# Altium PCB hand_logic.PcbDoc (part 3 of 4)
Units mil, origin at the board's own origin, x right, y up, seen from the top; angles counter-clockwise.
Board outline 3797.44 x 1940.24 mil, 6 copper layers (Top Layer, Int1 (GND), Int2 (Sign), Int3 (Sign), Int4 (PWR), Bottom Layer), stack 72.047 mil thick; 256 components, 180 nets, 1050 pads, 638 vias.
Unrouted connection lines stored in the file: 228.
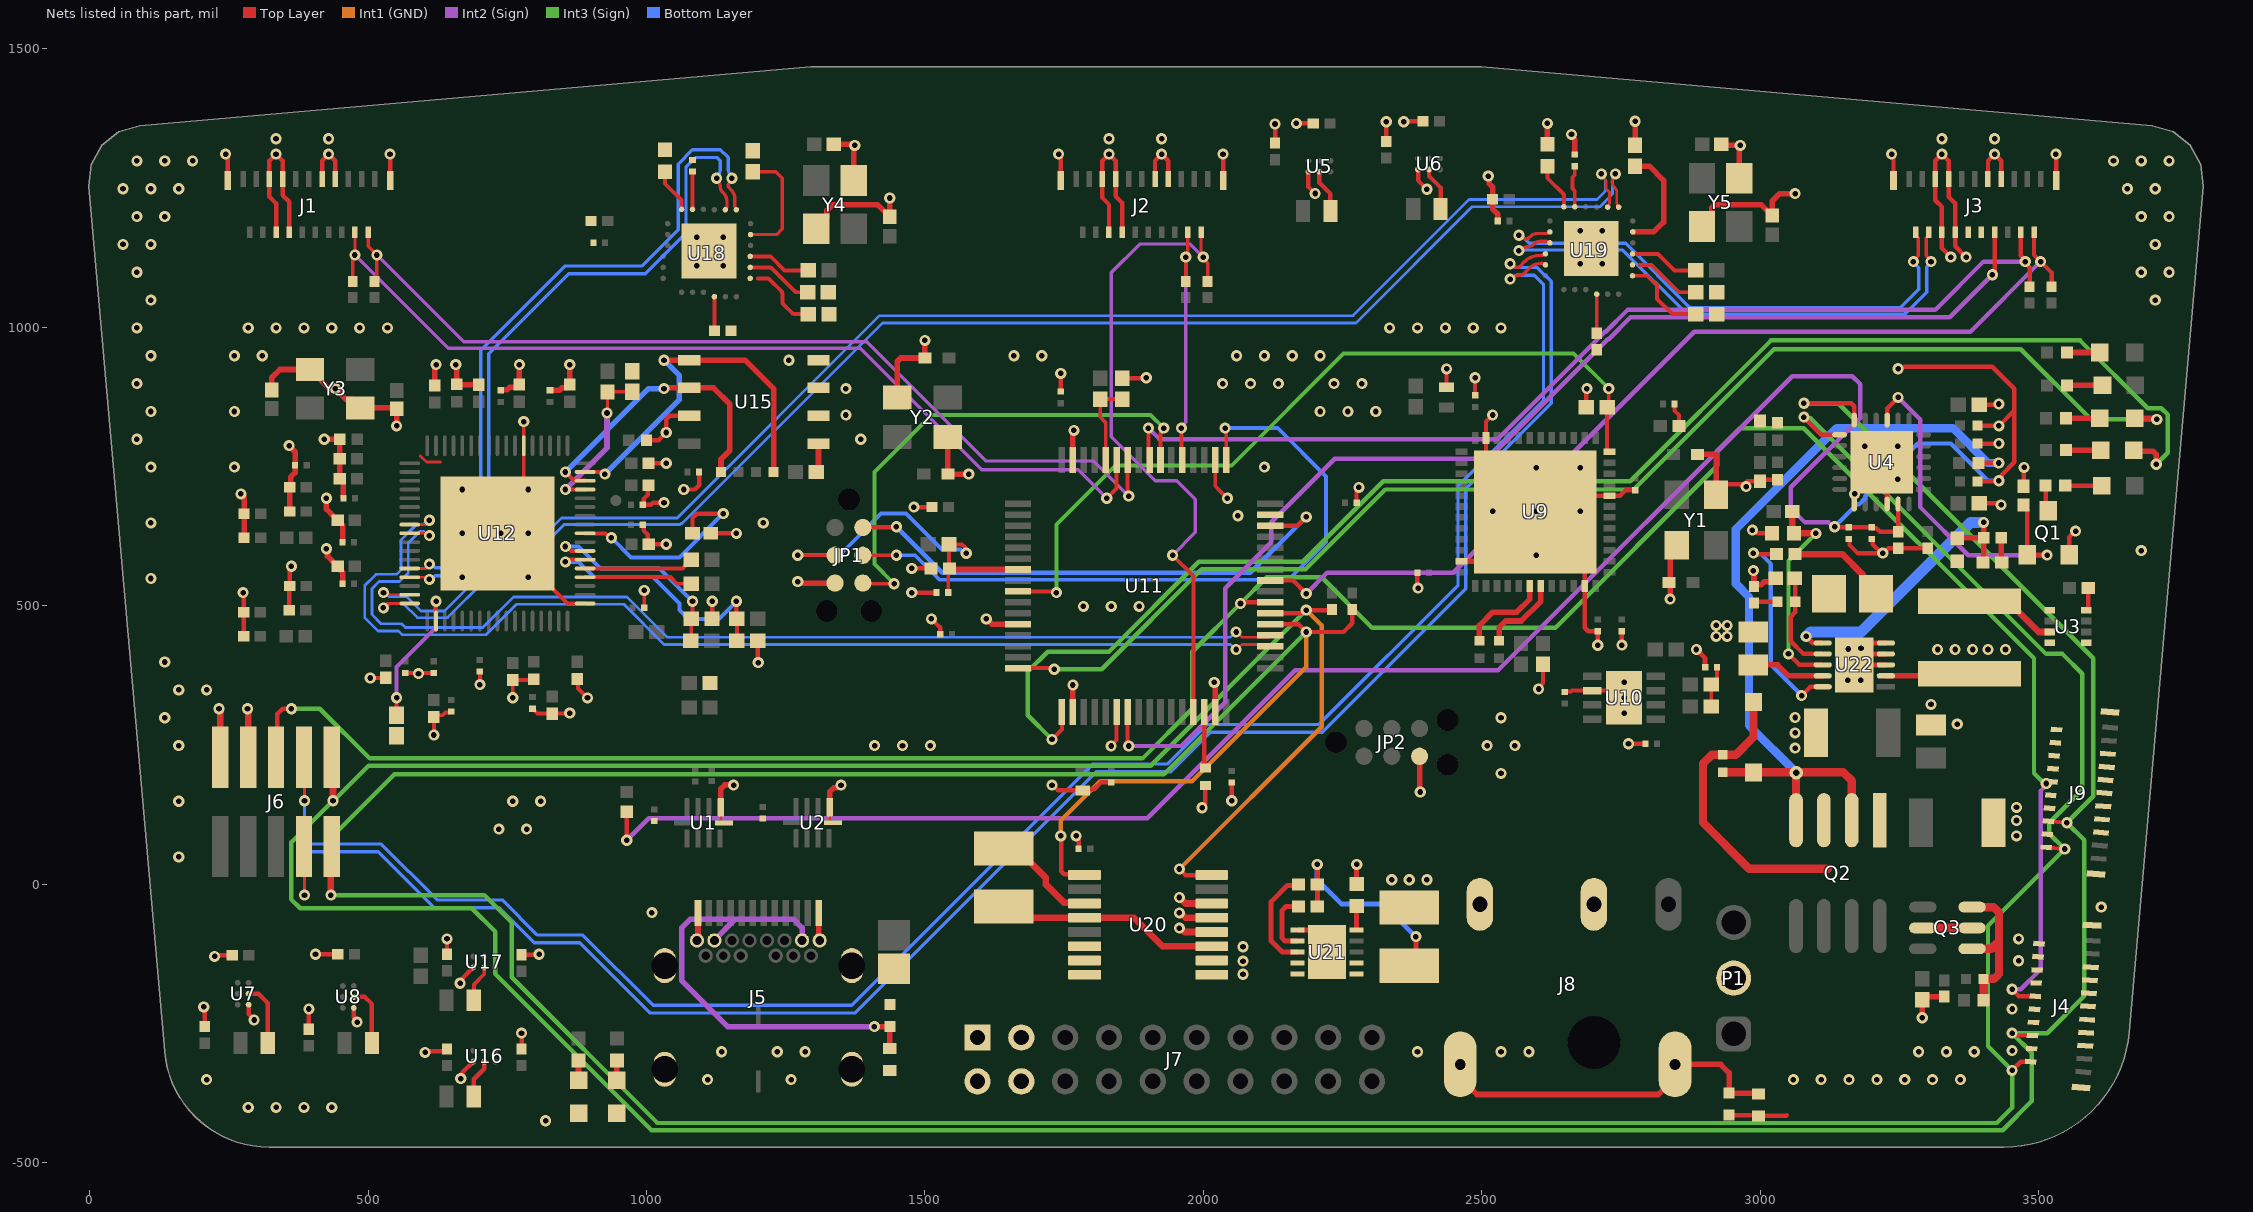
[diagram p7: the nets of this part, all layers, seen from the top]

## Via types
v1: diameter 20, hole 10, Top Layer to Bottom Layer, tented both sides, 623 vias
v2: diameter 24, hole 12, Top Layer to Bottom Layer, tented both sides, 13 vias
v3: diameter 28, hole 14, Top Layer to Bottom Layer, tented both sides, 2 vias

## Nets (pads, with @x,y where several pads share a name; then routed paths per layer and width w, separated by ;. In a path a pad name is that pad's centre, name@x,y a point inside that pad or via, vN(x,y) a via of type N, cw(c..) or ccw(c..) an arc to the next point about the centre after c; other vN are vias at no path point) (continued)
FINGER_3_SIG_CH1: J3.8 U11.23 | length 2182.1
  Top Layer w7: U11.23@1864.17,309.06 1864.17,250 v1(1866.14,248.03)
  Top Layer w8: v1(3417.32,1094.49) 3417.32,1097.74 3421.26,1101.67 J3.8@3421.26,1170.67
  Int2 (Sign) w8: v1(1866.14,248.03) 1960.63,248.03 2039.37,326.77 2039.37,531.5 2122.05,614.17 2122.05,649.61 2236.22,763.78 2511.81,763.78 2726.79,978.76 2728.09,978.76 2767.46,1018.13 3340.96,1018.13 v1(3417.32,1094.49)
FINGER_3_SIG_CH2: J3.10
FINGER_3_SIG_CH3: J3.12
FINGER_3_USB_DN: J3.20 U19.2 | length 958.4
  Top Layer w6: v1(2566.93,1165.35) cw(c2566.93,1156.34) 2573.31,1162.71 2575.51,1160.51 ccw(c2580.18,1165.17) 2580.18,1158.57 ccw(c2580.18,1165.17) 2584.84,1160.51 2587.83,1163.5 cw(c2599.71,1151.61) 2599.71,1168.42 2615.87,1168.42 ccw(c2615.87,1175.56) 2620.92,1170.51 cw(c2622.74,1168.7) U19.2@2622.74,1171.26 ; v1(3275.59,1118.11) 3275.59,1119.88 3284.34,1128.62 3284.34,1160.54 3279.53,1165.35 J3.20@3279.53,1170.67
  Bottom Layer w6: v1(2566.93,1165.35) 2570.66,1165.35 2585.22,1150.8 2758.65,1150.8 2872.28,1037.17 ccw(c2876.5,1041.43) 2876.5,1035.43 3251.97,1035.43 3285.17,1068.64 3285.17,1097.18 3285.13,1097.22 3285.13,1104.32 ccw(c3279.13,1104.32) 3283.37,1108.56 3277.26,1114.67 cw(c3281.54,1118.88) v1(3275.59,1118.11)
FINGER_3_USB_DP: J3.18 U19.3 | length 973.6
  Top Layer w6: v1(2566.93,1137.8) ccw(c2566.93,1146.81) 2573.31,1140.44 2574.05,1141.19 cw(c2582.24,1133) 2582.24,1144.57 2583.08,1144.57 ccw(c2583.08,1158.17) 2592.69,1148.56 2593.63,1149.5 cw(c2605.51,1137.61) 2605.51,1154.42 2615.87,1154.42 cw(c2615.87,1147.27) 2620.92,1152.33 ccw(c2622.74,1154.14) U19.3@2622.74,1151.57 ; J3.18@3303.15,1170.67 3303.15,1165.35 3298.34,1160.54 3298.34,1128.62 3307.09,1119.88 v1(3307.09,1118.11)
  Bottom Layer w6: v1(2566.93,1137.8) 2567.93,1138.8 2753.68,1138.8 2865.5,1026.98 ccw(c2874.02,1035.43) 2874.02,1023.43 3259.18,1023.43 ccw(c3251.97,1035.43) 3260.6,1024.41 3260.98,1024.71 ccw(c3257.28,1029.43) 3261.51,1025.17 3299.17,1062.84 3299.17,1102.98 3299.21,1103.02 3299.21,1105.98 cw(c3305.21,1105.98) 3300.95,1110.21 3305.4,1114.66 ccw(c3301.14,1118.88) v1(3307.09,1118.11)
FINGER_4_I2C_INT: U11.22 | length 65.1
  Top Layer w7: v1(1834.65,248.03) 1834.65,248.79 1844.49,258.63 U11.22@1844.49,309.06
FINGER_4_SIG_CH1: U11.50 | length 78.1
  Top Layer w7: U11.50@2021.65,761.81 2021.65,714.57 2029.91,706.31 2030.33,706.31 2043.31,693.33 v1(2043.31,692.91)
FINGER_4_USB_DN: J6.7 U19.4 | length 3462.5
  Top Layer w6: v1@384.65,-18.5 v1(385.83,-19.68) 385.83,66.34 J6.7@384.65,67.52 ; v1(2551.18,1114.17) cw(c2551.18,1105.16) 2557.56,1111.53 2559.94,1109.15 ccw(c2564.18,1113.39) 2564.18,1107.39 ccw(c2564.18,1113.39) 2568.42,1109.15 2577.49,1118.22 cw(c2603.63,1092.08) 2603.63,1129.05 2607.8,1129.05 ccw(c2607.8,1136.19) 2612.85,1131.14 cw(c2614.67,1129.33) U19.4@2614.67,1131.89
  Bottom Layer w6: v1(385.83,-19.68) 385.83,54.45 389.34,57.96 518.13,57.96 618.63,-42.54 735.46,-42.54 780.51,-87.6 798.45,-105.54 880.14,-105.54 986.22,-211.61 1006.13,-231.52 1374.78,-231.52 1808.07,201.77 1941.93,201.77 2012.8,272.64 2213.7,272.64 2471.68,530.62 2471.68,709.75 2625.22,863.3 2625.22,1082.46 2600.29,1107.39 2561.7,1107.39 2554.92,1114.17 v1(2551.18,1114.17)
FINGER_4_USB_DP: J6.8 U19.5 | length 3405.1
  Top Layer w6: J6.8@384.65,227.76 385.83,226.57 v1(385.83,149.61) ; v1(2551.18,1086.61) ccw(c2551.18,1095.63) 2557.56,1089.26 2558.31,1090 cw(c2566.49,1081.82) 2566.49,1093.39 2567.08,1093.39 ccw(c2567.08,1106.39) 2576.26,1097.19 ; 2576.27,1097.2 2584.45,1105.38 cw(c2607.8,1082.01) 2607.8,1115.05 cw(c2607.8,1107.9) 2612.85,1112.95 ccw(c2614.67,1114.77) U19.5@2614.67,1112.2
  Bottom Layer w6: v1(385.83,149.61) 385.83,75.48 389.34,71.96 523.93,71.96 624.43,-28.54 741.26,-28.54 804.25,-91.54 885.94,-91.54 1011.93,-217.52 1368.98,-217.52 1802.27,215.77 1936.13,215.77 2007,286.64 2207.9,286.64 2457.68,536.42 2457.68,715.55 2611.22,869.09 2611.22,1076.66 2594.49,1093.39 2561.7,1093.39 2554.92,1086.61 v1(2551.18,1086.61)
FINGER_MCU_RESET: C41.2 JP1.3 R26.2 R72.1 U11.7 | length 684.9
  Top Layer w7: v1(1271.65,590.55) JP1.3@1338.58,590.55 ; C41.2@1541.93,523.62 1541.93,564.57 R26.2@1544.29,566.93 1543.31,567.91 R72.1@1543.31,610.24 1566.93,610.24 1571.95,605.21 1571.95,596.61 v1(1574.44,594.13)
  Top Layer w10: R26.2@1544.29,566.93 1546.26,564.96 U11.7@1667.32,564.96
  Bottom Layer w7: v1(1271.65,590.55) 1346.46,590.55 1421.26,665.35 1465.96,665.35 1530.6,600.71 1564.33,600.71 1570.92,594.13 v1(1574.44,594.13)
FINGER_MCU_SWDCLK: JP1.4 U11.49 | length 1271.1
  Top Layer w7: JP1.4@1388.58,590.55 v1(1448.82,590.55) ; v1(2039.37,818.9) 2041.34,816.93 U11.49@2041.34,761.81
  Bottom Layer w7: v1(1448.82,590.55) 1482.32,590.55 1526.32,546.56 2152.85,546.56 2220.47,614.17 2220.47,732.28 2133.86,818.9 v1(2039.37,818.9)
FINGER_MCU_SWDIO: JP1.2 U11.46 | length 944.3
  Top Layer w8: JP1.2@1388.58,640.55 1447.64,640.55 v1(1448.82,641.73) ; U11.46@2120.08,643.7 2169.29,643.7 v1(2185.04,659.45)
  Bottom Layer w8: v1(1448.82,641.73) 1531.5,559.06 2084.65,559.06 v1(2185.04,659.45)
FINGER_MCU_SWDO: JP1.6 U11.55 | length 903.7
  Top Layer w7: JP1.6@1388.58,540.55 1389.76,539.37 v1(1444.88,539.37) ; U11.55@1923.23,761.81 1923.23,809.47 1929.13,815.38 v1(1929.13,818.9)
  Int3 (Sign) w7: v1(1444.88,539.37) 1409.45,574.8 1409.45,740.16 1511.81,842.52 1905.51,842.52 v1(1929.13,818.9)
GND: C1.2 C4.2 C5.2 C6.2 C7.1 C10.2 C11.2 C12.1 C13.1 C14.2 C15.2 C16.2 C17.2 C18.2 C19.2 C20.2 C21.2 C22.1 C23.1 C24.1 C25.1 C26.1 C27.2 C28.2 C29.2 C30.1 C31.1 C32.1 C33.1 C34.2 C35.2 C36.1 C37.1 C38.1 C39.1 C40.1 C41.1 C42.2 C43.2 C44.2 C45.1 C46.2 C47.2 C52.1 C53.2 C54.2 C55.2 C56.2 C57.2 C58.2 C59.2 C60.2 C61.2 C62.2 C63.2 C64.2 C65.2 C66.2 C67.2 C68.2 C69.2 C70.2 C71.2 C72.2 C73.1 C74.1 C75.1 C76.1 C77.1 C78.1 C79.2 C80.2 C81.2 C82.2 C83.1 C84.1 C85.1 C86.1 C87.2 C88.1 C89.1 C90.1 C91.1 C92.1 C93.1 C94.1 C95.1 C96.1 C97.1 C98.2 C99.2 C100.2 C101.2 C102.1 C103.1 C104.2 C105.2 C106.2 C107.2 C108.1 C109.1 C110.2 C111.1 C112.2 C113.2 C114.2 C115.2 C118.2 C119.2 C120.2 C122.2 C123.1 C124.2 C125.2 D6.1 D7.1 J1.7 J1.9 J1.14 J1.15 J1.16 J1.17 J1.MP1 J1.MP2 J2.7 J2.9 J2.14 J2.15 J2.16 J2.17 J2.MP1 J2.MP2 J3.7 J3.9 J3.14 J3.15 J3.16 J3.17 J3.MP1 J3.MP2 J4.4 J4.5 J4.7 J4.8 J4.9 J4.10 J4.11 J4.13 J4.14 J4.15 J4.16 J4.17 J4.18 J4.20 J4.MP1 J4.MP2 J5.3 J5.4 J5.6 J5.7 J5.A1 J5.A12 J5.B1 J5.B12 J6.2 J6.4 J7.3 J7.4 J8.2 J8.3 J9.4 J9.5 J9.7 J9.8 J9.9 J9.10 J9.11 J9.13 J9.14 J9.15 J9.16 J9.17 J9.18 J9.20 J9.MP1 J9.MP2 JP1.5 JP2.5 Q1.2 R1.1 R2.1 R3.1 R6.1 R11.1 R17.1 R18.1 R25.1 R26.1 R30.1 R31.1 R34.1 R35.1 R47.1 R48.1 R49.1 R50.1 R52.1 R53.1 R54.1 R55.1 R58.1 R60.2 R69.1 R70.1 R75.2 R78.2 R79.1 R83.1 R86.1 U1.1 U1.10 U2.1 U2.10 U3.1 U3.4 U3.5 U4.19 U4.22 U4.25 U5.C2 U6.C2 U7.C2 U8.C2 U9.8 U9.23 U9.35 U9.47 U9.49 U10.2 U10.9 U11.12 U11.18 U11.31 U11.47 U11.63 U12.18 U12.40 U12.69 U15.2 U15.3 U15.4 U15.7 U16.C2 U17.C2 U18.25 U19.25 U20.4 U20.5 U20.6 U20.11 U21.6 U21.11 U22.3 U22.4 U22.5 U22.11 Y1.2 Y1.4 Y2.2 Y2.4 Y3.2 Y3.4 Y4.2 Y4.4 Y5.2 Y5.4 | length 10286.5
  Top Layer w5: 593.52,769.35 605,757.87 629.92,757.87 ; U1.1@1133.46,137.8 1133.46,111.67 1135.3,109.84 U1.10@1139.17,109.84 ; U2.1@1329.33,138.19 1329.33,112.07 1331.16,110.24 U2.10@1335.04,110.24
  Top Layer w7: v1(503.94,370.08) 504.33,370.47 C78.1@531.5,370.47 ; C68.2@566.93,379.33 589.17,379.33 v1(590.55,377.95) 591.93,379.33 C69.2@618.11,379.33 ; v1(618.11,267.72) C95.1@618.11,300 621.26,303.15 633.86,303.15 638.95,308.24 648,308.24 C79.2@649.61,309.84 ; v1(700.79,358.27) C70.2@700.79,381.89 ; v1(759.84,334.65) C88.1@759.84,366.54 795.67,366.54 C83.1@797.24,368.11 ; v1(779.53,830.71) U12.40@779.53,787.4 779.53,677.17 U12.69@732.28,629.92 858.27,503.94 U12.18@889.76,503.94 ; C66.2@795.28,314.96 795.67,314.96 797.68,312.95 797.68,312.56 804.13,306.1 C75.1@830.71,306.1 861.22,306.1 v1(862.2,307.09) ; C89.1@875.98,368.5 877.27,367.22 877.27,351.08 v1(894.06,334.28) ; C45.1@996.06,496.06 v1(996.06,527.56) ; C37.1@2275.59,685.04 2275.59,705.14 2279.53,709.08 v1(2279.53,712.6) ; C27.2@2437.01,892.22 v1(2437.01,925.2) ; C23.1@2488.19,877.95 v1(2488.19,909.45) ; C31.1@2649.61,345.08 2650.52,346 2660.96,346 2662.4,347.44 U10.2@2698.82,347.44 2743.11,347.44 v1(2755.91,334.65) ; C30.1@2846.46,862.2 2846.75,861.92 2846.75,850.11 2854.33,842.52 R17.1@2854.33,822.83
  Top Layer w8: v1(204.72,-220.47) 206.69,-222.44 C18.2@206.69,-255.91 ; v1(224.41,-129.92) 226.38,-127.95 C21.2@255.91,-127.95 ; v1(244.09,1311.02) 244.09,1307.78 247.64,1304.23 J1.MP2@247.64,1263.78 ; v1(275.59,523.62) 276.43,522.78 C62.2@276.43,488.19 C63.2@276.43,444.88 ; U7.C2@285.43,-216.54 285.43,-233.41 295.28,-243.25 v1(295.28,-244.09) ; J1.16@334.65,1170.67 334.65,1222.44 322.83,1234.25 J1.17@322.83,1266.34 322.83,1299.21 v1(334.65,1311.02) 346.46,1299.21 J1.15@346.46,1266.34 346.46,1237.2 358.27,1225.39 J1.14@358.27,1170.67 ; C64.2@358.27,492.13 358.27,534.59 C65.2@359.11,535.43 359.11,564.53 362.2,567.62 v1(362.2,570.87) ; C19.2@393.7,-260.69 v1(393.7,-224.41) ; v1(405.51,-125.98) C20.2@445.73,-125.98 ; J1.9@417.32,1266.34 417.32,1299.21 v1(429.13,1311.02) 440.94,1299.21 J1.7@440.94,1266.34 ; U8.C2@474.41,-222.44 474.41,-238.88 480.31,-244.78 v1(480.31,-248.03) ; v1(539.37,1311.02) 539.76,1310.63 J1.MP1@539.76,1263.78 ; v1(602.36,-302.26) 604.56,-300.06 C53.2@641.73,-300.06 ; C54.2@641.73,-125.98 v1(641.73,-98.43) ; v1(665.35,-178.15) 667.65,-175.85 667.65,-170.93 U17.C2@688.98,-149.61 ; v1(666.34,-349.41) 668.63,-347.11 668.63,-339.38 669.29,-338.72 669.29,-338.58 U16.C2@688.98,-318.9 ; C55.2@775.59,-296.12 v1(775.59,-267.72) ; C56.2@775.59,-126.83 806.24,-126.83 v1(807.09,-125.98) ; C67.2@993.31,645.67 994.82,644.16 994.82,635.1 1002.14,627.79 1002.14,612.04 C77.1@1003.94,610.24 v1(1035.43,610.24) ; C90.1@1000,759.45 C90.1@1003.54,755.91 v1(1035.43,755.91) ; C86.1@1000,797.24 1021.65,797.24 v1(1035.43,811.02) 1035.43,834.65 1041.93,841.14 U15.7@1076.91,841.14 ; C97.1@1003.54,716.54 1002.14,715.13 1002.14,698.99 994.82,691.67 994.82,682.61 C87.2@993.31,681.1 1007.87,681.1 1011.81,685.04 v1(1031.5,685.04) ; v1(1066.93,708.66) 1086.61,708.66 1094.49,716.54 C52.1@1094.49,740.16 ; R35.1@1115.4,629.92 v1(1161.42,629.92) ; R30.1@1117.74,476.38 1118.11,476.75 v1(1118.11,507.87) ; R31.1@1199.8,437.01 1199.8,398.62 v1(1200.79,397.64) ; v1(1476.38,523.62) C41.1@1521.06,523.62 ; v1(1476.38,566.93) R26.1@1510.83,566.93 ; v1(1480.32,677.17) C43.2@1512.66,677.17 ; v1(1511.81,476.38) 1527.27,460.92 1527.27,449.11 C39.1@1527.56,448.82 ; v1(1728.35,177.85) 1729.49,177.85 1739.03,168.31 C42.2@1783.46,168.31 1785.37,170.21 1804.07,170.21 1816.34,182.48 C40.1@1834.65,182.48 ; v1(1740.16,1311.02) 1740.16,1307.78 1743.7,1304.23 J2.MP2@1743.7,1263.78 ; C38.1@1744.09,884.45 v1(1744.09,917.32) ; v1(1771.65,86.61) 1771.65,83.37 1776.1,78.92 C111.1@1776.1,63.5 ; J2.16@1830.71,1170.67 1830.71,1220.47 1818.9,1232.28 J2.17@1818.9,1266.34 1818.9,1299.21 v1(1830.71,1311.02) 1842.52,1299.21 J2.15@1842.52,1266.34 1842.52,1235.24 1854.33,1223.43 J2.14@1854.33,1170.67 ; R25.1@1854.33,908.46 1896.65,908.46 v1(1897.64,909.45) ; J2.9@1913.39,1266.34 1913.39,1299.21 v1(1925.2,1311.02) 1937.01,1299.21 J2.7@1937.01,1266.34 ; v1(1997.88,137.11) 1997.88,138.49 2003.94,144.55 C44.2@2003.94,177.17 ; v1(2035.43,1311.02) 2035.83,1310.63 J2.MP1@2035.83,1263.78 ; v1(2051.18,149.61) C36.1@2051.18,182.48 ; C14.2@2128.94,1330.85 v1(2128.94,1365.16) ; v1(2167.32,1366.14) C16.2@2197.69,1366.14 ; U5.C2@2188.98,1279.53 2188.98,1251.97 2200.6,1240.35 v1(2200.93,1240.35) ; C15.2@2328.74,1333.8 v1(2328.74,1369.09) ; v1(2360.24,1369.09) 2361.22,1370.08 C17.2@2394.54,1370.08 ; C22.1@2384.65,559.06 2384.65,532.68 v1(2385.83,531.5) ; U6.C2@2385.83,1283.46 2385.83,1263.78 v1(2401.57,1248.03) ; v1(2519.68,842.52) 2507.87,830.71 U9.23@2507.87,801.18 2507.87,756.89 U9.49@2596.46,668.31 ; v1(2602.36,350.39) 2602.36,353.21 2610.24,361.08 R18.1@2610.24,394.69 ; R70.1@2687.99,856.3 2687.99,888.78 v1(2688.98,889.76) ; v1@2708.66,429.13 C24.1@2708.66,454.13 2691.54,454.13 2685.04,460.63 U9.47@2685.04,535.43 2685.04,579.72 U9.49@2596.46,668.31 ; v1(2751.97,429.13) C26.1@2751.97,454.13 ; v1(2763.78,251.97) C32.1@2794.09,251.97 ; C25.1@2775.59,707.28 2758.46,707.28 2749.02,697.83 U9.8@2729.33,697.83 2625.98,697.83 U9.49@2596.46,668.31 ; Y1.2@2921.26,698.82 2921.26,700.85 2938.91,718.5 v1@2972.44,718.5 ; C112.2@2944.47,-414.95 2982.87,-414.95 2983.27,-415.35 ; v1(2975.05,713.93) 2975.05,715.9 v1@2972.44,718.5 ; v1(2986.38,635.66) 2989.63,635.66 2995.37,629.92 R6.1@3021.65,629.92 ; R60.2@2997.05,-416.34 3047.24,-416.34 3048.23,-415.35 ; C115.2@3031.5,726.38 3002.95,726.38 R2.1@3000,723.43 2977.36,723.43 v1@2972.44,718.5 ; C12.1@3159.45,620.08 3160.72,618.81 3160.72,608.96 3175.2,594.49 v1@3218.21,594.49 ; C13.1@3201.18,620.08 3202.69,618.57 3202.69,610 v1@3218.21,594.49 ; v1(3236.22,1311.02) 3236.22,1307.78 3239.76,1304.23 J3.MP2@3239.76,1263.78 ; R58.1@3291.34,-207.68 R58.1@3296.92,-202.09 ; C10.2@3304.13,600.39 C10.2@3301.18,603.35 3248.17,603.35 C11.2@3248.03,603.21 3230.7,603.21 3221.98,594.49 v1(3220.47,594.49) v1@3218.21,594.49 ; v1(3342.52,1125.98) 3326.77,1141.73 J3.16@3326.77,1170.67 3326.77,1216.54 3314.96,1228.35 J3.17@3314.96,1266.34 3314.96,1299.21 v1(3326.77,1311.02) 3338.58,1299.21 J3.15@3338.58,1266.34 3338.58,1234.25 3350.39,1222.44 J3.14@3350.39,1170.67 3350.39,1145.67 v1(3370.08,1125.98) ; R79.1@3390.75,791.01 3428.81,791.01 v1(3429.13,791.34) ; R75.2@3393.7,683.87 3427.06,683.87 3429.82,681.1 v1(3433.07,681.1) ; R78.2@3393.7,860.89 3427.82,860.89 v1(3429.13,862.2) ; J3.9@3409.45,1266.34 3409.45,1299.21 v1(3421.26,1311.02) 3433.07,1299.21 J3.7@3433.07,1266.34 ; R11.1@3473.43,714.57 v1@3473.43,745.08 ; v1(3531.5,1311.02) 3531.89,1310.63 J3.MP1@3531.89,1263.78 ; Q1.2@3555.12,591.54 3555.12,623.17 3565.8,633.86 v1(3566.93,633.86)
  Top Layer w9: U21.6@2169.27,-82.68 2192.69,-82.68 2222.44,-112.43 U21.11@2222.44,-122.05 ; R69.1@2275.59,0 v1(2275.59,35.43) ; v1(2885.83,421.26) 2901.57,405.51 C33.1@2901.57,389.76 ; U22.11@3169.29,393.7 U22.3@3226.01,393.7 ; U4.19@3169.29,682.46 3169.37,682.54 3169.37,700.35 v1(3169.89,700.87) ; v1@3169.29,700.87 3169.29,708.66 U4.25@3218.5,757.87 3228.35,748.03 U4.22@3228.35,682.46 ; U22.11@3176.3,400.71 3188.98,413.39 U22.4@3226.01,413.39 ; U22.11@3186.52,415.85 3186.52,420.35 3199.24,433.07 U22.5@3226.01,433.07
  Top Layer w10: v1(271.65,700.79) 277.28,695.16 C58.2@277.28,665.35 C57.2@277.28,622.05 ; C47.2@326.77,887.05 326.92,887.2 326.92,909.6 341.54,924.21 Y3.2@395.67,924.21 400.59,924.21 416.26,908.54 416.26,903.62 428.2,891.68 439.03,891.68 v1(440.94,889.76) 459.72,870.98 470.55,870.98 Y3.4@486.22,855.32 549.59,855.32 C46.2@551.18,853.72 v1(551.18,822.83) ; v1(358.27,787.4) 358.27,787.17 368.9,776.54 C61.2@368.9,751.97 368.9,738.98 360.96,731.04 360.96,714.45 C60.2@359.11,712.6 C59.2@359.11,669.29 ; v1(421.26,798.9) 421.57,799.21 C84.1@448.82,799.21 449.21,798.82 C92.1@449.21,763.78 C96.1@449.21,728.35 450,728.35 455.24,723.11 455.24,717.53 455.51,717.25 C80.2@455.51,692.91 ; v1(425.2,602.36) 427.11,600.45 427.11,589.03 439.25,576.89 439.25,576.1 444.49,570.87 C94.1@445.28,570.87 446.06,570.87 451.3,565.63 451.3,563.11 454.13,560.28 C82.2@454.13,539.37 ; v1(425.2,692.91) 425.2,673.62 439.25,659.57 439.25,658.78 444.49,653.54 C93.1@445.28,653.54 446.06,653.54 451.3,648.31 451.3,647.52 454.13,644.69 C81.2@454.13,614.17 ; C73.1@620.08,895.67 620.08,928.4 622.05,930.36 v1(622.05,933.07) ; v1(657.48,933.07) 657.48,930.36 659.45,928.4 C85.1@659.45,897.64 660.24,896.85 C91.1@698.82,896.85 ; C72.2@738.19,887.01 738.7,887.52 749.72,887.52 754.31,892.11 766.52,892.11 C76.1@771.65,897.24 v1(771.65,933.07) ; C71.2@826.77,887.01 843.7,887.01 847.91,891.22 856.97,891.22 862.2,896.46 C74.1@862.2,897.24 v1(862.2,933.07) ; J5.B12@1090.55,-101.18 1092.52,-99.21 J5.A1@1092.52,-51.97 ; U1.1@1133.46,137.8 1133.46,170.87 1140.75,178.15 1156.2,178.15 v1(1156.5,177.85) ; v1(1271.65,543.31) 1274.36,543.31 1277.12,540.55 JP1.5@1338.58,540.55 ; Y4.4@1305.12,1177.17 1323.74,1195.79 1323.74,1209.57 1334.65,1220.47 1414.96,1220.47 1429.02,1206.42 1429.8,1206.42 C102.1@1437.01,1199.21 ; J5.A12@1309.06,-51.97 1309.06,-99.21 J5.B1@1311.02,-101.18 ; U2.1@1329.33,138.19 1329.33,165.94 1336.61,173.23 1342.08,173.23 1346.7,177.85 v1(1349.41,177.85) ; C103.1@1336.22,1328.74 1369.34,1328.74 1371.31,1326.77 v1(1374.02,1326.77) 1374.02,1324.07 1372.05,1322.1 Y4.2@1372.05,1263.78 ; C102.1@1437.01,1198.43 C102.1@1437.01,1199.21 ; v1(1437.01,1232.28) C102.1@1437.01,1199.21 ; Y2.2@1450.79,874.02 1450.79,938.98 1456.69,944.88 C34.2@1500,944.88 v1(1500,976.38) ; Y2.4@1541.34,803.15 C35.2@1541.34,736.22 v1(1578.74,736.22) ; v1(1610.24,476.38) 1611.25,476.38 1621.09,466.54 U11.12@1667.32,466.54 ; v1(1744.09,917.32) v1@1746.01,919.24 ; U11.18@1765.75,309.06 v1(1765.75,357.53) ; U11.63@1765.75,761.81 1765.75,810.29 1767.72,812.25 v1(1767.72,814.96) ; v1(2019.68,362.2) 2019.68,359.5 2021.65,357.53 U11.31@2021.65,309.06 ; JP2.5@2388.58,229.53 2388.58,166.54 v1(2389.76,165.35) ; U9.35@2463.58,579.72 2507.87,579.72 U9.49@2596.46,668.31 ; v1(2511.81,1271.65) 2513.58,1269.88 2513.58,1258.07 2519.69,1251.97 C105.2@2519.69,1230.32 2519.68,1212.6 2528.82,1203.46 2528.82,1191.06 C104.2@2528.94,1190.94 ; R55.1@2618.11,1328.74 v1(2618.11,1366.14) ; v1(2661.42,1346.46) 2661.42,1343.75 2667.32,1337.85 C107.2@2667.32,1310.24 ; R54.1@2775.59,1326.77 v1(2775.59,1370.08) ; v1(2838.58,511.81) 2838.58,539.37 C28.2@2836.61,541.34 2838.58,543.31 2838.58,596.46 Y1.4@2850.39,608.27 ; C29.2@2887.8,771.65 2921.26,771.65 Y1.2@2921.26,700.85 ; Y5.4@2895.67,1181.1 2913.01,1198.44 2913.01,1214.61 2918.87,1220.47 3001.97,1220.47 3013.66,1208.78 3014.45,1208.78 3021.65,1201.57 C108.1@3021.65,1200.79 3021.65,1226.38 3035.43,1240.16 v1(3062.99,1240.16) ; C109.1@2930.71,1328.74 2932.68,1326.77 v1(2964.57,1326.77) 2964.57,1324.07 2962.6,1322.1 Y5.2@2962.6,1267.72 ; v1(2988.19,562.99) 2989.17,562.01 C124.2@2989.17,534.59 2992.58,537.99 3002.3,537.99 3007.53,543.22 3021.96,543.22 C123.1@3027.95,549.21 ; v1(3291.34,-240.16) R58.1@3291.34,-207.68 ; R58.1@3296.92,-202.09 C5.2@3330.71,-202.09
  Top Layer w12: v1(232.28,314.96) 232.28,312.8 234.65,310.43 J6.2@234.65,227.76 ; v1(283.46,314.96) 284.65,313.78 J6.4@284.65,227.76 ; C110.2@1687.97,40.37 1688.05,40.37 1689,39.42 1689,39.34 1717.35,11 1717.35,-0.81 1749.84,-33.31 1785.31,-33.31 U20.11@1786.92,-34.93 ; v1(1957.2,-79.22) 1959.36,-79.22 1966.25,-86.11 U20.4@2015.27,-86.11 ; v1(1957.2,-51.66) 1959.07,-51.66 1967.92,-60.52 U20.5@2015.27,-60.52 ; v1(1957.2,-24.1) 1968.03,-34.93 U20.6@2015.27,-34.93 ; R70.1@2687.99,856.3 R70.1@2688.98,857.28
  Top Layer w20: C122.2@3123.93,521.65 C122.2@3140.54,505.04 ; U22.11@3151.01,411.99 U22.11@3169.29,393.7
  other v1: 818.9,-425.2 284.84,-401.18 334.84,-401.18 384.84,-401.18 434.84,-401.18 209.84,-351.18 1109.84,-351.18 1259.84,-351.18 3059.84,-351.18 3109.84,-351.18 3159.84,-351.18 3209.84,-351.18 3259.84,-351.18 3309.84,-351.18 3359.84,-351.18 1134.84,-301.18 1234.84,-301.18 1284.84,-301.18 2384.84,-301.18 2534.84,-301.18 2584.84,-301.18 3284.84,-301.18 3334.84,-301.18 3384.84,-301.18 3452.76,-299.21 3452.76,-224.41 3464.57,-137.8 3464.57,-98.43 1009.84,-51.18 3612.8,-41.34 2338.58,7.87 2370.08,7.87 2401.57,7.87 159.84,48.82 3460.63,86.61 734.84,98.82 784.84,98.82 3460.63,114.17 3460.63,137.8 159.84,148.82 759.84,148.82 809.84,148.82 2534.84,198.82 3062.99,244.09 159.84,248.82 1409.84,248.82 1459.84,248.82 1509.84,248.82 2509.84,248.82 2559.84,248.82 3062.99,271.65 3354.33,287.4 134.84,298.82 2534.84,298.82 3062.99,299.21 2755.91,307.09 3307.09,322.83 159.84,348.82 209.84,348.82 2755.91,362.2 3157.48,366.14 3181.1,366.14 134.84,398.82 3158.46,422.24 3181.4,423.4 2708.63,428.86 1784.84,498.82 1834.84,498.82 1884.84,498.82 109.84,548.82 669.29,551.18 787.4,551.18 2598.43,590.55 3684.84,598.82 669.29,629.92 738.19,629.92 787.4,629.92 109.84,648.82 1209.84,648.82 2062.31,661.42 2519.68,669.29 2598.43,669.29 2677.17,669.29 669.29,708.66 787.4,708.66 3247.05,727.36 2598.43,748.03 2677.17,748.03 3474.42,748.27 109.84,748.82 259.84,748.82 2109.84,748.82 3187.99,786.42 3247.05,786.42 84.84,798.82 1384.84,798.82 1358.27,842.52 109.84,848.82 259.84,848.82 2209.84,848.82 2259.84,848.82 2309.84,848.82 1358.27,889.76 84.84,898.82 2034.84,898.82 2084.84,898.82 2134.84,898.82 2234.84,898.82 2284.84,898.82 1255.91,940.94 109.84,948.82 259.84,948.82 309.84,948.82 1659.84,948.82 1709.84,948.82 2059.84,948.82 2109.84,948.82 2159.84,948.82 2209.84,948.82 84.84,998.82 284.84,998.82 334.84,998.82 384.84,998.82 434.84,998.82 484.84,998.82 534.84,998.82 2334.84,998.82 2384.84,998.82 2434.84,998.82 2484.84,998.82 2534.84,998.82 109.84,1048.82 3709.84,1048.82 84.84,1098.82 3684.84,1098.82 3734.84,1098.82 1090.55,1110.24 1137.8,1110.24 2677.17,1114.17 2716.54,1114.17 59.84,1148.82 109.84,1148.82 3709.84,1148.82 1090.55,1161.42 1137.8,1161.42 2677.17,1173.23 2716.54,1173.23 84.84,1198.82 134.84,1198.82 3684.84,1198.82 3734.84,1198.82 59.84,1248.82 109.84,1248.82 159.84,1248.82 3659.84,1248.82 3709.84,1248.82 84.84,1298.82 134.84,1298.82 184.84,1298.82 3634.84,1298.82 3684.84,1298.82 3734.84,1298.82 334.65,1338.58 429.13,1338.58 1830.71,1338.58 1925.2,1338.58 3326.77,1338.58 3421.26,1338.58